# Altium PCB STM32F7_ExpansionBoard.PcbDoc (part 2 of 2)
Units mm, origin at the board's own origin, x right, y up, seen from the top; angles counter-clockwise.
Board outline 149.43 x 209.05 mm, 2 copper layers (Top Layer, Bottom Layer); 87 components, 61 nets, 312 pads, 418 vias.
Unrouted connection lines stored in the file: 1.
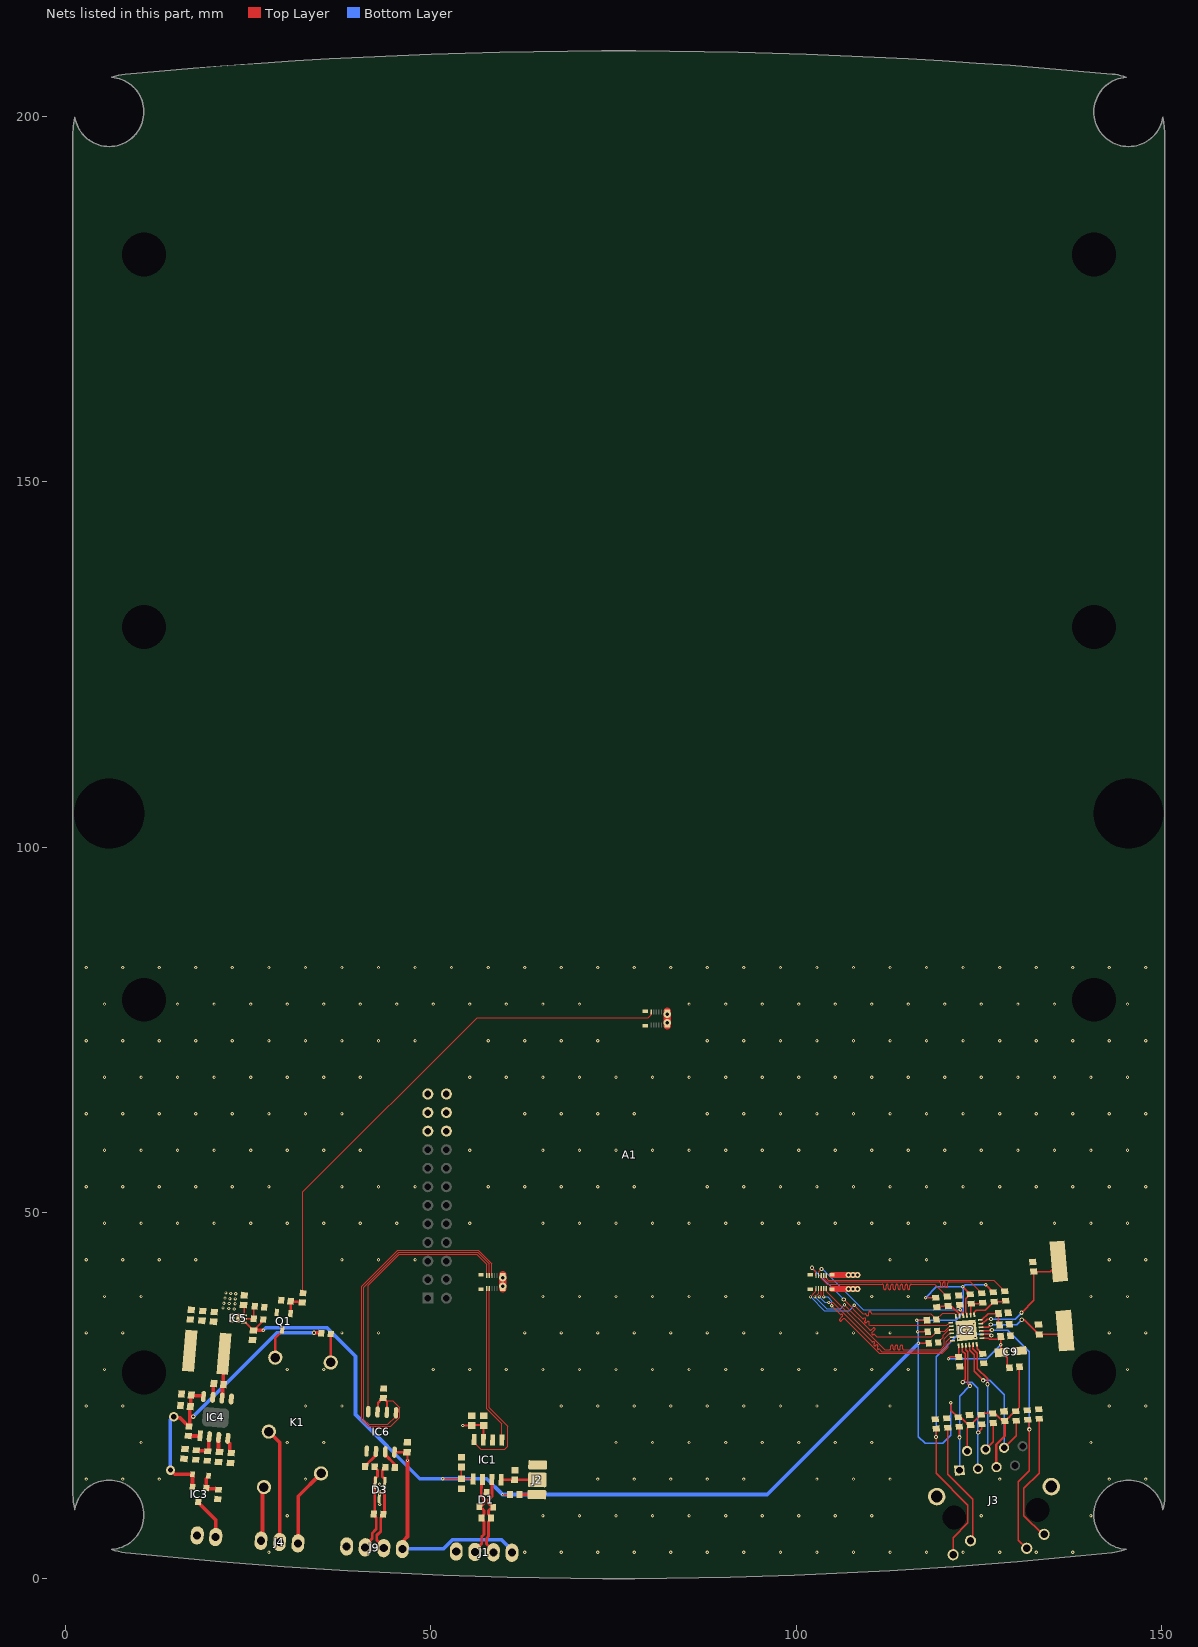
[diagram p2: the nets of this part, all layers, seen from the top]

## Via types
v1: diameter 0.45, hole 0.2, Top Layer to Bottom Layer, tented both sides, 387 vias
v2: diameter 0.6, hole 0.3, Top Layer to Bottom Layer, tented both sides, 19 vias
v3: diameter 0.8, hole 0.4, Top Layer to Bottom Layer, tented both sides, 6 vias
v4: diameter 1, hole 0.5, Top Layer to Bottom Layer, tented both sides, 4 vias
v5: diameter 1.27, hole 0.711, Top Layer to Bottom Layer, tented both sides, 2 vias

## Nets (pads, with @x,y where several pads share a name; then routed paths per layer and width w, separated by ;. In a path a pad name is that pad's centre, name@x,y a point inside that pad or via, vN(x,y) a via of type N, cw(c..) or ccw(c..) an arc to the next point about the centre after c; other vN are vias at no path point)
3v: C1.2 C2.2 C10.2 C11.2 C20.2 FB1.2 IC1.5 IC2.9 IC5.4 J3.2 J3.5 R2.1 R4.1 R5.1 R7.1 R8.1 R9.1 R13.2 R14.2 R15.2 R16.2 R17.2 R34.2 | length 210.5
  Top Layer w0.2: IC5.4@24.403,34.982 24.585,34.982 25.665,33.902 C20.2@25.714,33.902 25.759,33.902 27.05,35.193 R34.2@27.05,35.392 ; v1(51.605,13.58) C1.2@54.18,13.58 ; C2.2@54.18,15.205 C1.2@54.18,13.58 ; IC1.5@55.794,13.533 55.747,13.58 C1.2@54.18,13.58 ; v1(59.807,11.43) R2.1@60.83,11.43 ; v1(116.475,35.275) 116.477,35.273 R8.1@117.882,35.273 ; v1(116.6,33.7) 116.602,33.698 R9.1@118.007,33.698 ; v1(116.725,32.125) v1(116.725,32.125) R17.2@118.132,32.123 ; v1(117.691,38.379) 117.693,38.378 R7.1@119.098,38.378 ; v1(121.154,24) 121.154,22.992 122.145,22 R13.2@122.167,22 122.525,22 123.57,20.955 C11.2@123.83,20.955 ; v1@122.801,39.85 R4.1@123.823,38.828 ; IC2.9@123.353,35.944 123.353,36.211 123.199,36.364 123.199,38.234 123.778,38.812 R4.1@123.778,38.828 ; J3.2@123.384,17.384 123.384,20.509 C11.2@123.83,20.955 ; v1(125.943,40.148) R5.1@126.967,39.125 ; FB1.2@130.527,28.914 130.527,23.336 130.411,23.22 130.411,23.19 130.047,22.825 R16.2@130.017,22.825 129.921,22.825 128.575,21.48 C10.2@128.53,21.48 128.225,21.48 127.18,22.525 R15.2@126.867,22.525 125.467,22.525 R14.2@125.292,22.35 125.258,22.35 123.863,20.955 C11.2@123.83,20.955
  Top Layer w0.3: J3.5@127.4,15.186 127.367,15.219 127.367,18.273 128.526,19.431 C10.2@128.526,21.476
  Top Layer w0.5: C20.2@25.714,33.902 25.716,33.9 v1(27.075,33.9) ; C10.2@128.526,21.476 C10.2@128.53,21.48
  Bottom Layer w0.2: v1(117.691,38.379) 119.162,39.85 v1(122.8,39.85) ; v1(121.154,24) 121.154,19.579 120.025,18.45 117.65,18.45 116.725,19.375 v1(116.725,32.125) 116.725,33.507 116.6,33.632 v1(116.6,33.7) 116.6,35.082 116.475,35.207 v1(116.475,35.275) 121.8,35.275 122.877,36.352 122.877,39.773 v1(122.8,39.85) ; v1(125.943,40.148) 123.098,40.148 v1(122.8,39.85)
  Bottom Layer w0.5: v1(27.075,33.9) 27.427,34.252 35.773,34.252 39.675,30.35 39.675,22.374 48.469,13.58 v1(51.605,13.58) 57.657,13.58 v1(59.807,11.43) 96.03,11.43 v1(116.725,32.125)
5V: A1.5V C3.2 C4.2 C14.2 C16.2 C17.2 C18.2 C25.2 IC1.3 IC5.1 IC5.3 IC6.8 J1.1 J9.1 L1.2 R28.1 | length 47.5
  Top Layer w0.3: IC6.8@45.018,17.228 45.022,17.232 46.728,17.232 C25.2@46.73,17.23 46.8,17.16 v1(46.8,16.1) ; v1(54.375,20.88) C3.2@55.605,20.88 55.68,20.955 57.137,20.955 C4.2@57.212,20.88 57.186,20.854 57.186,18.939 IC1.3@57.177,18.93
  Top Layer w0.5: J9.1@46.086,3.976 46.343,4.232 46.343,5.238 46.8,5.696 v1(46.8,16.1)
  Top Layer w0.8: A1.5V@104.9,39.55 v3(107.15,39.55) v3(107.775,39.55) v3(108.375,39.55) ; A1.5V@104.9,41.5 v3(107.15,41.5) v3(107.775,41.5) v3(108.375,41.5)
  Top Layer w1: A1.5V@59.85,39.55 v4(59.85,39.95) v4(59.85,41.1) A1.5V@59.85,41.5 ; A1.5V@82.35,75.6 v4(82.35,76) v4(82.35,77.15) A1.5V@82.35,77.55
  Bottom Layer w0.5: J9.1@46.086,3.976 46.103,3.993 51.692,3.993 52.96,5.262 59.67,5.262 61.089,3.842 J1.1@61.089,3.475
  other v1: 23.1,36.825 22.325,36.9 21.55,36.975 23.2,37.55 22.402,37.575 21.68,37.625 23.225,38.2 22.5,38.225 21.825,38.325 23.275,38.9 22.6,38.95 21.95,39.025
12V: C21.2 C22.2 D2.2 IC3.2 IC4.8 R23.2 R27.1 | length 44.2
  Top Layer w0.5: v5(14.35,14.775) 14.932,14.193 17.363,14.193 D2.2@17.369,14.199 ; v5(14.8,22.075) 14.947,21.928 15.67,21.928 16.848,20.75 R27.1@16.893,20.75 16.981,20.838 16.981,22.15 ; IC3.2@17.371,12.484 17.369,12.486 D2.2@17.369,14.199 ; D2.2@17.372,14.202 D2.2@17.369,14.199 ; v2(17.475,22.1) 17.456,22.119 17.012,22.119 16.981,22.15 ; IC4.8@18.89,24.841 18.791,24.94 17.334,24.94 C22.2@17.202,25.071 17.14,25.009 17.14,23.559 C21.2@17.077,23.496 16.981,23.4 16.981,22.15 ; v2(34,33.575) 34.928,33.575 R23.2@34.985,33.518
  Bottom Layer w0.5: v5(14.35,14.775) 14.35,21.625 v5(14.8,22.075) ; v2(17.475,22.1) 28.938,33.563 v2@34.012,33.563
CAN_N: D1.1 IC1.6 J1.3 R1.1 | length 11.7
  Top Layer w0.381: J1.3@56.01,3.582 56.01,3.79 56.963,4.742 56.963,5.688 57.263,5.988 57.263,7.727 57.175,7.815 57.175,7.999 R1.1@56.93,8.244 57.175,8.488 57.175,8.672 57.267,8.764 57.267,9.259 57.043,9.482 56.853,9.482 56.634,9.701 D1.1@56.634,9.75 56.634,9.799 56.853,10.018 57.041,10.018 57.265,10.241 57.265,10.791 56.899,11.157 56.899,12.301 56.913,12.315 56.913,13.356 IC1.6@57.063,13.507
CAN_P: D1.2 IC1.7 J1.2 R1.2 | length 11.7
  Top Layer w0.381: IC1.7@58.333,13.48 58.353,13.461 58.353,11.159 58.148,10.954 58.123,10.954 57.9,10.731 57.9,10.203 58.125,9.978 58.315,9.978 58.534,9.759 D1.2@58.534,9.71 58.534,9.661 58.315,9.443 58.125,9.443 57.902,9.219 57.902,8.733 57.986,8.649 57.986,8.461 R1.2@58.23,8.216 57.986,7.972 57.986,7.788 57.898,7.7 57.898,5.725 57.598,5.425 57.598,4.673 58.55,3.721 J1.2@58.55,3.528
CAN_S: IC1.8 J2.2 R3.2 | length 5
  Top Layer w0.381: IC1.8@59.603,13.454 59.605,13.456 R3.2@61.466,13.455 ; R3.2@61.466,13.455 J2.2@64.555,13.455
EXP_GPIO0: A1.1 R24.2 | length 71.9
  Top Layer w0.127: R24.2@32.493,39 32.493,52.868 56.325,76.7 79.75,76.7 80.15,77.1 A1.1@80.15,77.45
GND: A1.GND C1.1 C2.1 C3.1 C4.1 C5.1 C6.1 C7.1 C8.1 C9.1 C10.1 C11.1 C12.1 C13.1 C14.1 C17.1 C18.1 C19.1 C20.1 C21.1 C22.1 C23.1 C24.1 C25.1 D1.3 D3.3 IC1.2 IC2.25 IC4.5 IC5.2 IC5.7 IC6.5 J1.4 J2.3 J3.S J8.2 J9.4 Q1.2 R3.1 R6.1 R18.1 R19.2 R20.1 R21.2 R22.1 R25.2 R26.1 R29.2 R33.2 R35.2
  other v1: 27.831,3.548 62.831,3.548 67.831,3.548 72.831,3.548 77.831,3.548 82.831,3.548 87.831,3.548 92.831,3.548 97.831,3.548 102.831,3.548 107.831,3.548 112.831,3.548 117.831,3.548 122.831,3.548 127.831,3.548 132.831,3.548 137.831,3.548 30.331,8.548 65.331,8.548 70.331,8.548 75.331,8.548 80.331,8.548 85.331,8.548 90.331,8.548 95.331,8.548 100.331,8.548 105.331,8.548 110.331,8.548 125.331,8.548 140.331,8.548 42.985,10.075 42.975,11.475 42.973,12.825 2.831,13.548 7.831,13.548 12.831,13.548 32.831,13.548 72.831,13.548 77.831,13.548 82.831,13.548 87.831,13.548 92.831,13.548 102.831,13.548 107.831,13.548 112.831,13.548 127.831,13.548 142.831,13.548 147.831,13.548 10.331,18.548 30.331,18.548 35.331,18.548 75.331,18.548 80.331,18.548 85.331,18.548 90.331,18.548 95.331,18.548 100.331,18.548 105.331,18.548 110.331,18.548 140.331,18.548 2.831,23.548 7.831,23.548 32.831,23.548 37.831,23.548 67.831,23.548 72.831,23.548 77.831,23.548 82.831,23.548 87.831,23.548 92.831,23.548 97.831,23.548 102.831,23.548 112.831,23.548 142.831,23.548 147.831,23.548 5.331,28.548 30.331,28.548 35.331,28.548 50.331,28.548 55.331,28.548 60.331,28.548 65.331,28.548 70.331,28.548 75.331,28.548 80.331,28.548 85.331,28.548 90.331,28.548 95.331,28.548 100.331,28.548 105.331,28.548 110.331,28.548 115.331,28.548 145.331,28.548 122.23,32.775 124.475,32.925 2.831,33.548 7.831,33.548 37.831,33.548 42.831,33.548 62.831,33.548 67.831,33.548 72.831,33.548 77.831,33.548 82.831,33.548 87.831,33.548 92.831,33.548 97.831,33.548 102.831,33.548 107.831,33.548 112.831,33.548 142.831,33.548 147.831,33.548 123.28,33.905 122.175,34.578 124.301,34.825 5.331,38.548 10.331,38.548 65.331,38.548 70.331,38.548 75.331,38.548 80.331,38.548 85.331,38.548 90.331,38.548 95.331,38.548 110.331,38.548 115.331,38.548 140.331,38.548 145.331,38.548 2.831,43.548 7.831,43.548 12.831,43.548 17.831,43.548 37.831,43.548 42.831,43.548 47.831,43.548 112.831,43.548 117.831,43.548 142.831,43.548 147.831,43.548 5.331,48.548 10.331,48.548 15.331,48.548 20.331,48.548 25.331,48.548 30.331,48.548 35.331,48.548 40.331,48.548 45.331,48.548 55.331,48.548 65.331,48.548 70.331,48.548 75.331,48.548 80.331,48.548 85.331,48.548 90.331,48.548 95.331,48.548 100.331,48.548 105.331,48.548 110.331,48.548 115.331,48.548 120.331,48.548 125.331,48.548 135.331,48.548 140.331,48.548 145.331,48.548 2.831,53.548 7.831,53.548 12.831,53.548 17.831,53.548 22.831,53.548 27.831,53.548 37.831,53.548 42.831,53.548 47.831,53.548 57.831,53.548 62.831,53.548 67.831,53.548 72.831,53.548 77.831,53.548 87.831,53.548 92.831,53.548 97.831,53.548 102.831,53.548 107.831,53.548 112.831,53.548 117.831,53.548 122.831,53.548 127.831,53.548 132.831,53.548 137.831,53.548 142.831,53.548 147.831,53.548 5.331,58.548 10.331,58.548 15.331,58.548 20.331,58.548 25.331,58.548 30.331,58.548 35.331,58.548 40.331,58.548 55.331,58.548 65.331,58.548 70.331,58.548 75.331,58.548 80.331,58.548 85.331,58.548 90.331,58.548 95.331,58.548 100.331,58.548 105.331,58.548 110.331,58.548 115.331,58.548 120.331,58.548 125.331,58.548 130.331,58.548 135.331,58.548 140.331,58.548 145.331,58.548 2.831,63.548 7.831,63.548 12.831,63.548 17.831,63.548 22.831,63.548 27.831,63.548 32.831,63.548 37.831,63.548 62.831,63.548 67.831,63.548 72.831,63.548 77.831,63.548 87.831,63.548 92.831,63.548 97.831,63.548 102.831,63.548 107.831,63.548 112.831,63.548 117.831,63.548 122.831,63.548 127.831,63.548 132.831,63.548 137.831,63.548 142.831,63.548 147.831,63.548 5.331,68.548 10.331,68.548 15.331,68.548 20.331,68.548 25.331,68.548 30.331,68.548 35.331,68.548 40.331,68.548 55.331,68.548 60.331,68.548 65.331,68.548 70.331,68.548 75.331,68.548 80.331,68.548 85.331,68.548 90.331,68.548 95.331,68.548 100.331,68.548 105.331,68.548 110.331,68.548 115.331,68.548 120.331,68.548 125.331,68.548 130.331,68.548 135.331,68.548 140.331,68.548 145.331,68.548 2.831,73.548 7.831,73.548 12.831,73.548 17.831,73.548 22.831,73.548 27.831,73.548 32.831,73.548 37.831,73.548 42.831,73.548 47.831,73.548 57.831,73.548 62.831,73.548 67.831,73.548 72.831,73.548 87.831,73.548 92.831,73.548 97.831,73.548 102.831,73.548 107.831,73.548 112.831,73.548 117.831,73.548 122.831,73.548 127.831,73.548 132.831,73.548 137.831,73.548 142.831,73.548 147.831,73.548 5.331,78.548 15.331,78.548 20.331,78.548 25.331,78.548 30.331,78.548 35.331,78.548 40.331,78.548 45.331,78.548 50.331,78.548 55.331,78.548 60.331,78.548 65.331,78.548 70.331,78.548 85.331,78.548 90.331,78.548 95.331,78.548 100.331,78.548 105.331,78.548 110.331,78.548 115.331,78.548 120.331,78.548 125.331,78.548 130.331,78.548 135.331,78.548 145.331,78.548 2.831,83.548 7.831,83.548 12.831,83.548 17.831,83.548 22.831,83.548 27.831,83.548 32.831,83.548 37.831,83.548 42.831,83.548 47.831,83.548 52.831,83.548 57.831,83.548 62.831,83.548 67.831,83.548 72.831,83.548 77.831,83.548 82.831,83.548 87.831,83.548 92.831,83.548 97.831,83.548 102.831,83.548 107.831,83.548 112.831,83.548 117.831,83.548 122.831,83.548 127.831,83.548 132.831,83.548 137.831,83.548 142.831,83.548 147.831,83.548
NetA1_11: A1.11 IC6.4 | length 37.4
  Top Layer w0.127: IC6.4@41.428,22.777 41.447,22.796 41.447,40.072 41.8,40.425 45.701,44.325 56.299,44.325 57.65,42.975 A1.11@57.65,41.4
NetA1_12: A1.12 IC1.1 | length 21.6
  Top Layer w0.127: A1.12@57.65,39.65 57.65,23.175 59.716,21.109 IC1.1@59.716,18.877
NetA1_13: A1.13 IC6.1 | length 45.1
  Top Layer w0.127: IC6.1@45.235,22.624 45.235,22.168 44.092,21.025 41.5,21.025 40.825,21.7 40.825,39.809 45.595,44.579 56.405,44.579 58,42.984 A1.13@58,41.4
NetA1_14: A1.14 IC1.4 | length 28.3
  Top Layer w0.127: IC1.4@55.907,18.956 55.907,18.543 56.85,17.6 60.1,17.6 60.55,18.05 60.55,20.775 58,23.325 A1.14@58,39.65
NetA1_15: A1.15 IC6.2 IC6.3 R33.1 | length 54.6
  Top Layer w0.127: R33.1@43.479,24.631 43.825,24.284 44.761,24.284 45.744,23.301 45.744,21.984 44.531,20.771 41.395,20.771 40.571,21.595 40.571,39.914 45.49,44.833 56.51,44.833 58.35,42.993 A1.15@58.35,41.4
  Top Layer w0.3: IC6.3@42.697,22.726 42.751,22.78 42.751,23.95 43.431,24.631 R33.1@43.479,24.631 ; R33.1@43.825,24.284 43.985,24.125 43.985,22.694 IC6.2@43.966,22.675
NetC5_2: C5.2 C6.2 C9.2 FB1.1 IC2.1 IC2.19 | length 18.6
  Top Layer w0.2: v1(120.825,30.025) 121.077,30.277 C6.2@122.246,30.277 122.229,30.295 122.229,31.761 IC2.19@122.211,31.779 ; IC2.1@125.406,32.836 125.424,32.854 126.302,32.854 126.484,32.672 127.6,32.672 127.979,33.05 127.979,30.931 128.094,30.931 128.869,30.156 128.869,29.11 FB1.1@129.183,28.796
  Bottom Layer w0.2: v1(120.825,30.025) 126.05,30.025 v1(127.975,31.95)
NetC7_2: C7.2 C8.2 IC2.6 | length 4.5
  Top Layer w0.2: IC2.6@125.188,35.327 125.37,35.327 126.24,36.196 C8.2@127.658,36.196 127.658,34.777 C7.2@127.805,34.63
NetC12_2: C12.2 IC2.5 X1.1 | length 16.7
  Top Layer w0.2: IC2.5@125.232,34.829 125.249,34.846 125.514,34.846 126.118,35.45 v2(126.65,35.45) ; v2(130.825,36.325) 132.489,37.989 C12.2@132.489,41.933 132.493,41.937 134.742,41.937 135.932,43.127 X1.1@135.932,43.334
  Bottom Layer w0.2: v2(126.65,35.45) 129.95,35.45 v2(130.825,36.325)
NetC13_2: C13.2 IC2.4 X1.2 | length 12.9
  Top Layer w0.2: IC2.4@125.276,34.331 126.259,34.331 v2(126.628,34.699) ; v2(130.85,35.35) 131.215,35.35 133.21,33.355 C13.2@133.255,33.355 136.245,33.355 X1.2@136.76,33.871
  Bottom Layer w0.2: v2(126.628,34.699) 130.199,34.699 v2(130.85,35.35)
NetC15_1: C15.1 IC4.6 L1.1 | length 6.2
  Top Layer w0.5: IC4.6@21.42,24.62 21.486,24.686 21.486,26.345 C15.1@21.637,26.496 21.571,26.562 21.571,30.596 L1.1@21.68,30.705
NetC15_2: C15.2 IC4.7 | length 1.9
  Top Layer w0.5: IC4.7@20.155,24.73 20.221,24.796 20.221,26.542 C15.2@20.292,26.614
NetC16_1: C16.1 IC4.2 R28.2 R29.1 | length 3.7
  Top Layer w0.5: R28.2@17.912,17.503 17.987,17.428 19.412,17.428 R29.1@19.487,17.353 19.619,17.485 19.619,19.285 IC4.2@19.684,19.351
NetC19_2: C19.2 IC5.6 | length 1.4
  Top Layer w0.2: C19.2@24.352,37.355 24.473,37.234 24.473,35.996 IC5.6@24.491,35.978
NetC23_2: C23.2 IC4.4 | length 2.2
  Top Layer w0.5: IC4.4@22.215,19.13 22.206,19.121 22.206,18.637 22.497,18.347 22.497,17.288 C23.2@22.68,17.105
NetC24_2: C24.2 IC4.3 | length 2
  Top Layer w0.5: IC4.3@20.95,19.24 20.941,19.232 20.941,17.375 C24.2@21.064,17.252
NetD2_1: D2.1 IC3.1 R26.2 | length 3.6
  Top Layer w0.5: D2.1@19.588,14.008 19.588,13.915 19.268,13.594 19.268,12.323 IC3.1@19.264,12.318 19.366,12.216 20.819,12.216 R26.2@20.93,12.105
NetIC2_2: IC2.2 J3.9 R21.1 | length 41.2
  Top Layer w0.2: R21.1@119.13,20.455 119.13,14.316 123.48,9.966 123.48,7.539 121.463,5.522 J3.9@121.463,3.193 ; IC2.2@125.363,33.334 125.38,33.352 126.441,33.352 126.594,33.199 v2(126.703,33.199)
  Bottom Layer w0.2: v2(119.125,19.3) 119.125,30.309 122.193,33.377 126.524,33.377 v2(126.703,33.199)
NetIC2_3: IC2.3 J3.11 R19.1 | length 37.3
  Top Layer w0.2: IC2.3@125.319,33.832 125.367,33.88 126.709,33.88 v2(126.778,33.949) ; J3.11@131.535,4.074 130.4,5.208 130.4,13.196 131.902,14.698 131.902,21.483 R19.1@131.705,21.68
  Bottom Layer w0.2: v2(126.778,33.949) 128.951,33.949 131.9,31 v2(131.9,20.35)
NetIC2_7: IC2.7 R5.2 R11.1 | length 5.3
  Top Layer w0.2: IC2.7@124.349,36.031 124.349,36.374 124.625,36.65 125.855,36.65 127.035,37.83 R5.2@127.08,37.83 128.53,37.83 R11.1@128.655,37.955
NetIC2_8: IC2.8 R4.2 R10.1 | length 3.2
  Top Layer w0.2: IC2.8@123.851,35.988 123.851,37.446 R4.2@123.937,37.532 125.357,37.532 R10.1@125.505,37.68
NetIC2_11: IC2.11 R7.2 R12.1 | length 3.9
  Top Layer w0.2: R7.2@119.212,37.082 119.362,37.232 R12.1@120.787,37.232 121.218,37.232 122.356,36.094 IC2.11@122.356,35.857
NetIC2_15: IC2.15 R17.1 | length 2.7
  Top Layer w0.127: R17.1@119.428,32.237 119.428,32.282 120.125,32.98 120.125,33.207 120.895,33.978 IC2.15@121.241,33.978
NetIC2_24: IC2.24 R18.2 | length 1.7
  Top Layer w0.2: IC2.24@124.702,31.997 124.749,31.949 124.749,31.415 125.485,30.68 R18.2@125.53,30.68
NetIC3_3: IC3.3 J8.1 | length 5.8
  Top Layer w0.5: IC3.3@18.143,10.409 18.143,10.363 20.578,7.928 20.578,5.652 J8.1@20.545,5.619
NetIC4_1: IC4.1 R27.2 | length 1.7
  Top Layer w0.5: R27.2@16.78,19.455 16.797,19.438 18.395,19.438 IC4.1@18.419,19.462
NetIC5_5: IC5.5 R34.1 R35.1 | length 3.1
  Top Layer w0.2: IC5.5@24.447,35.48 24.464,35.463 25.713,35.463 R34.1@25.755,35.505 25.755,37.034 R35.1@25.907,37.187
NetIC6_6: IC6.6 R31.1 | length 2.6
  Top Layer w0.381: R31.1@41.006,15.282 41.006,15.33 42.419,16.743 IC6.6@42.419,17.269
NetIC6_7: IC6.7 R32.1 | length 2.7
  Top Layer w0.381: IC6.7@43.749,17.279 43.749,16.876 45.079,15.546 R32.1@45.079,15.128
NetJ2_1: J2.1 R2.2 | length 2.4
  Top Layer w0.381: R2.2@62.13,11.43 62.133,11.433 64.503,11.433 J2.1@64.512,11.423
NetJ3_10: J3.10 R22.2 | length 17
  Top Layer w0.2: R22.2@120.705,20.58 120.705,14.232 124.125,10.812 124.125,5.387 J3.10@123.845,5.108
NetJ3_12: J3.12 R20.2 | length 18
  Top Layer w0.2: R20.2@133.28,21.805 133.28,14.38 131.163,12.263 131.163,8.536 133.709,5.989 J3.12@133.917,5.989
NetK1_1: K1.1 R23.1 | length 3.9
  Top Layer w0.3: R23.1@36.28,33.405 36.286,33.399 36.286,29.513 K1.1@36.296,29.503
NetK1_5: K1.5 Q1.3 | length 4.2
  Top Layer w0.3: K1.5@28.705,30.167 28.705,32.848 29.655,33.798 Q1.3@29.655,33.98
NetQ1_1: Q1.1 R24.1 R25.1 | length 3.4
  Top Layer w0.3: Q1.1@30.802,36.188 30.809,36.195 R25.1@30.809,37.892 ; R25.1@30.803,37.898 R25.1@30.809,37.892 ; R24.1@32.38,37.705 32.279,37.806 30.895,37.806 R25.1@30.809,37.892
RD_N: IC2.22 J3.6 R16.1 | length 21
  Top Layer w0.2: IC2.22@123.706,31.909 123.728,31.887 123.728,31.172 124.339,30.561 124.339,28.286 v2(125.575,27.05) ; J3.6@128.496,17.827 J3.6@128.444,17.827 130.126,19.508 130.126,21.526 R16.1@130.13,21.53
  Bottom Layer w0.2: v2(125.575,27.05) 125.577,27.052 126.498,27.052 128.444,25.106 J3.6@128.444,17.827
RD_P: IC2.23 J3.4 R15.1 | length 19.4
  Top Layer w0.2: IC2.23@124.204,31.953 124.182,31.931 124.182,31.36 124.793,30.749 124.793,28.657 126.175,27.275 v2(126.175,26.525) ; J3.4@125.914,17.605 125.914,17.622 126.98,18.688 R15.1@126.98,21.23
  Bottom Layer w0.2: J3.4@125.914,17.605 126.175,17.867 v2(126.175,26.525)
RELAY_COM: J4.2 K1.4 | length 15.7
  Top Layer w0.5: K1.4@27.819,20.046 29.306,18.559 29.306,4.956 J4.2@29.28,4.93
RELAY_NC: J4.1 K1.2 | length 10.9
  Top Layer w0.5: J4.1@31.814,4.753 31.84,4.779 31.84,11.194 K1.2@34.967,14.321
RELAY_NO: J4.3 K1.3 | length 7.5
  Top Layer w0.5: J4.3@26.746,5.107 26.964,5.325 26.964,12.264 K1.3@27.155,12.455
RMII_CRS_DV: A1.25 R12.2 | length 25.4
  Top Layer w0.127: A1.25@103.4,41.4 103.4,41.016 104.23,40.186 111.65,40.186 111.801,40.186 cw(c111.801,40.022) 111.965,40.022 111.965,39.652 ccw(c112.128,39.652) 112.128,39.489 ccw(c112.128,39.652) 112.292,39.652 112.292,40.022 cw(c112.455,40.022) 112.455,40.186 cw(c112.455,40.022) 112.618,40.022 112.618,39.652 ccw(c112.782,39.652) 112.782,39.489 ccw(c112.782,39.652) 112.945,39.652 112.945,40.022 cw(c113.109,40.022) 113.109,40.186 cw(c113.109,40.022) 113.272,40.022 113.272,39.652 ccw(c113.436,39.652) 113.436,39.489 ccw(c113.436,39.652) 113.599,39.652 113.599,40.022 cw(c113.763,40.022) 113.763,40.186 cw(c113.763,40.022) 113.926,40.022 113.926,39.652 ccw(c114.09,39.652) 114.09,39.489 ccw(c114.09,39.652) 114.253,39.652 114.253,40.022 cw(c114.417,40.022) 114.417,40.186 cw(c114.417,40.022) 114.58,40.022 114.58,39.652 ccw(c114.744,39.652) 114.744,39.489 ccw(c114.744,39.652) 114.907,39.652 114.907,40.022 cw(c115.071,40.022) 115.071,40.186 cw(c115.071,40.022) 115.234,40.022 115.234,39.652 ccw(c115.398,39.652) 115.398,39.489 ccw(c115.398,39.652) 115.561,39.652 115.561,40.022 cw(c115.725,40.022) 115.725,40.186 118.97,40.186 120.628,38.528 R12.2@120.673,38.528
RMII_MDC: A1.21 IC2.13 | length 24.7
  Top Layer w0.127: v2(102.15,42.475) 102.7,41.925 A1.21@102.7,41.4 ; v2(106.5,38.125) 109.05,35.575 109.083,35.542 ccw(c109.166,35.625) 109.248,35.542 cw(c109.364,35.427) 109.48,35.542 cw(c109.364,35.427) 109.48,35.311 109.397,35.228 109.38,35.211 ccw(c109.495,35.095) 109.38,34.98 ccw(c109.495,35.095) 109.611,34.98 109.628,34.997 109.711,35.08 cw(c109.826,34.964) 109.942,35.08 cw(c109.826,34.964) 109.942,34.849 ccw(c110.025,34.766) 109.942,34.683 110.052,34.573 120.571,34.573 120.972,34.974 IC2.13@121.154,34.974
  Bottom Layer w0.127: v2(102.15,42.475) v2(106.5,38.125)
RMII_MDIO: A1.22 IC2.12 R8.2 | length 24.8
  Top Layer w0.127: v1(101.95,38.475) 102.7,39.225 A1.22@102.7,39.65 ; v1(107.95,37.325) 109.1,36.175 109.264,36.175 109.468,36.175 cw(c109.468,36.052) 109.59,36.052 ccw(c109.754,36.052) 109.754,35.889 ccw(c109.754,36.052) 109.917,36.052 109.917,36.175 109.917,36.332 cw(c110.081,36.332) 110.081,36.495 cw(c110.081,36.332) 110.244,36.332 ccw(c110.401,36.332) 110.401,36.175 118.435,36.175 119.178,35.432 R8.2@119.178,35.408 ; R8.2@119.178,35.387 R8.2@119.178,35.408 ; IC2.12@121.858,35.813 121.858,36.042 121.65,36.25 120.02,36.25 R8.2@119.178,35.408
  Bottom Layer w0.127: v1(101.95,38.475) 103.82,36.605 107.23,36.605 v1(107.95,37.325)
RMII_REF_CLK: A1.24 IC2.14 R9.2 | length 24.7
  Top Layer w0.127: v1(102.55,38.475) 103.05,38.975 A1.24@103.05,39.65 ; v1(106.6,37.4) 110.038,33.962 ccw(c110.153,34.078) 110.269,33.962 110.505,34.199 cw(c110.621,34.083) 110.736,34.199 cw(c110.621,34.083) 110.736,33.968 110.384,33.616 110.355,33.586 ccw(c110.47,33.47) 110.355,33.355 ccw(c110.47,33.47) 110.586,33.355 cw(c110.616,33.325) 110.645,33.355 110.847,33.153 111.002,32.998 118.534,32.998 119.303,33.766 R9.2@119.303,33.812 120.352,33.812 121.016,34.476 IC2.14@121.197,34.476
  Bottom Layer w0.127: v1(102.55,38.475) 104.166,36.859 106.059,36.859 v1(106.6,37.4)
RMII_RXD0: A1.27 R10.2 | length 25.3
  Top Layer w0.127: A1.27@103.75,41.4 103.75,41.025 104.246,40.529 119.25,40.529 119.414,40.529 119.577,40.529 cw(c119.577,40.365) 119.74,40.365 119.74,39.952 ccw(c119.904,39.952) 119.904,39.789 ccw(c119.904,39.952) 120.067,39.952 120.067,40.365 cw(c120.231,40.365) 120.231,40.529 cw(c120.231,40.365) 120.394,40.365 120.394,39.952 ccw(c120.558,39.952) 120.558,39.789 ccw(c120.558,39.952) 120.721,39.952 120.721,40.365 cw(c120.885,40.365) 120.885,40.529 121.048,40.529 121.175,40.529 123.838,40.529 R10.2@125.392,38.975
RMII_RXD1: A1.29 R11.2 | length 25.5
  Top Layer w0.127: A1.29@104.1,41.4 104.1,41.07 104.387,40.783 127.009,40.783 R11.2@128.542,39.25
RMII_RXER: A1.23 IC2.10 R6.2 | length 24
  Top Layer w0.127: A1.23@103.05,41.4 103.05,41.9 v2(103.45,42.3)
  Top Layer w0.2: R6.2@122.362,37.382 122.425,37.319 v1(122.425,36.725) 122.425,36.65 122.854,36.221 IC2.10@122.854,35.901
  Bottom Layer w0.127: v2(103.45,42.3) 103.563,42.3 109.138,36.725 v1(122.425,36.725)
RMII_TX_EN: A1.30 IC2.16 | length 25.4
  Top Layer w0.127: A1.30@104.1,39.65 104.1,39.25 112.1,31.25 112.263,31.25 112.59,31.25 112.754,31.25 ccw(c112.754,31.413) 112.917,31.413 112.917,31.722 cw(c113.081,31.722) 113.081,31.885 cw(c113.081,31.722) 113.244,31.722 113.244,31.413 ccw(c113.408,31.413) 113.408,31.25 ccw(c113.408,31.413) 113.571,31.413 113.571,31.722 cw(c113.735,31.722) 113.735,31.885 cw(c113.735,31.722) 113.898,31.722 113.898,31.413 ccw(c114.062,31.413) 114.062,31.25 ccw(c114.062,31.413) 114.225,31.413 114.225,31.722 cw(c114.389,31.722) 114.389,31.885 cw(c114.389,31.722) 114.552,31.722 114.552,31.413 ccw(c114.716,31.413) 114.716,31.25 114.879,31.25 115.05,31.25 119.753,31.25 120.275,31.772 120.275,32.719 120.415,32.859 120.415,32.865 121.029,33.479 IC2.16@121.284,33.479
RMII_TXD0: A1.26 IC2.17 | length 24.6
  Top Layer w0.127: v1(103.15,38.475) 103.4,38.725 A1.26@103.4,39.65 ; v1(104.45,37.725) 105,37.725 110.313,32.412 110.411,32.314 ccw(c110.428,32.332) 110.445,32.314 cw(c110.561,32.199) 110.677,32.314 cw(c110.561,32.199) 110.677,32.083 110.659,32.066 110.655,32.061 ccw(c110.77,31.945) 110.655,31.83 ccw(c110.77,31.945) 110.886,31.83 110.891,31.834 110.908,31.852 cw(c111.023,31.736) 111.139,31.852 cw(c111.023,31.736) 111.139,31.621 111.122,31.603 111.117,31.598 ccw(c111.233,31.483) 111.117,31.367 ccw(c111.233,31.483) 111.348,31.367 111.353,31.372 111.584,31.141 111.65,31.075 111.729,30.996 119.858,30.996 120.529,31.667 120.529,32.364 121.146,32.981 IC2.17@121.328,32.981
  Bottom Layer w0.127: v1(103.15,38.475) 103.9,37.725 v1(104.45,37.725)
RMII_TXD1: A1.28 IC2.18 | length 24.8
  Top Layer w0.127: v1(103.75,38.475) A1.28@103.75,39.65 ; v1(104.85,37.275) 105.975,36.15 106.091,36.034 106.095,36.039 cw(c106.211,35.924) 106.327,36.039 cw(c106.211,35.924) 106.327,35.808 106.322,35.803 105.957,35.439 ccw(c106.073,35.323) 105.957,35.207 ccw(c106.073,35.323) 106.189,35.207 106.444,35.462 cw(c106.553,35.353) 106.662,35.462 111.383,30.742 119.963,30.742 120.783,31.562 120.783,32.076 121.19,32.483 IC2.18@121.372,32.483
  Bottom Layer w0.127: v1(103.75,38.475) 104.288,38.475 104.866,37.897 104.866,37.29 v1(104.85,37.275)
RS485A_N: D3.1 J9.2 R30.2 R32.2 | length 12.3
  Top Layer w0.381: J9.2@43.549,4.095 43.549,4.28 42.598,5.231 42.598,5.863 43.148,6.412 43.148,8.205 43.226,8.283 43.226,8.476 R30.2@43.479,8.729 43.647,8.897 43.647,12.936 D3.1@43.689,12.977 43.689,13.624 43.647,13.666 43.57,13.666 43.347,13.889 43.347,14.699 43.78,15.132 R32.2@43.78,15.18
RS485A_P: D3.2 J9.3 R30.1 R31.2 | length 12.2
  Top Layer w0.381: J9.3@41.011,4.215 41.011,4.435 41.963,5.386 41.963,6.126 42.513,6.676 42.513,8.257 42.434,8.335 42.434,8.528 R30.1@42.181,8.781 42.328,8.929 42.328,12.989 D3.2@42.37,13.03 42.37,13.677 42.411,13.719 42.489,13.719 42.712,13.942 42.712,14.775 42.305,15.182 R31.2@42.305,15.23
TD_N: IC2.20 J3.3 R14.1 | length 20.1
  Top Layer w0.2: IC2.20@122.709,31.822 122.731,31.8 122.731,31.064 123.128,30.667 123.128,27.178 v2(122.775,26.825) ; v2(124.9,19.925) 125.405,20.43 R14.1@125.405,21.055
  Bottom Layer w0.2: v2(122.775,26.825) 122.777,26.827 123.993,26.827 124.87,25.95 124.87,19.925 J3.3@124.87,14.964
TD_P: IC2.21 J3.1 R13.1 | length 19.5
  Top Layer w0.2: R13.1@122.28,20.705 122.28,19.31 v2(122.34,19.25) ; IC2.21@123.207,31.866 123.185,31.844 123.185,31.252 123.475,30.962 123.475,26.6 v2(123.775,26.3)
  Bottom Layer w0.2: J3.1@122.34,14.743 v2(122.34,19.25) 122.34,24.865 v2(123.775,26.3)
pads on no net: A1.2 A1.3 A1.4 A1.5 A1.6 A1.7 A1.8 A1.9 A1.10 A1.16 A1.17 A1.18 A1.19 A1.20 A1.31 A1.32 A1.33 A1.34 A1.35 A1.36 A1.37 A1.38 A1.39 A1.40 A1.41 A1.42 A1.43 A1.44 A1.45 A1.46 A1.47 A1.48 C9.0 IC4.EP J2.SM J3.7 J3.8 J3.15 J3.16

## Polygon pours and split planes (outlines as drawn)
5V on Top Layer "L1-5V" (solid, pour order 0): 18.5,15.425 18.625,16.875 15.525,17.175 14.125,22.1 15.05,26.025 17.45,26.025 18.125,34.25 23.2,33.825 23.612,39.23 21.772,39.361 21.025,35.625 14.025,36.25 11.575,15.8 18.525,15.425
GND on Top Layer "L1-GND" (solid, pour order 4): 1.28,9.38 cw(c10.198,11.598) 1.009,11.463 1.009,197.838 cw(c9.931,197.746) 1.279,199.926 ccw(c5.974,200.651) 6.305,205.389 cw(c9.27,196.731) 8.183,205.818 cw(c75.724,-511.165) 143.254,205.819 cw(c142.547,198.319) 145.147,205.39 ccw(c145.474,200.651) 150.167,199.922 cw(c132.249,196.526) 150.438,197.849 150.438,11.451 cw(c144.343,11.189) 150.168,9.376 ccw(c145.474,8.651) 145.142,3.912 cw(c139.538,24.177) 143.254,3.483 cw(c75.724,644.677) 8.181,3.484 cw(c9.033,11.568) 6.301,3.912 ccw(c5.974,8.651)
5V on Bottom Layer "L2-5V" (solid, pour order 1): 60.725,45 60.725,67.1 51.275,67.1 51.275,60.325 58.825,60.325 58.825,45 58.825,37.428 48.725,37.428 48.725,39.525 21.25,39.525 21.25,36.45 45.8,36.45 45.8,16.75 46.8,15.75 47.15,16.1 46.225,17.025 46.225,20.65 54.6,20.65 54.6,21.1 46.225,21.1 46.225,33.425 60.725,33.425 60.725,43.075 106.725,43.075 106.725,39.125 108.8,39.125 108.8,45 82.875,45 82.875,78.075 81.825,78.075 81.825,45
GND on Bottom Layer "L2-GND" (solid, pour order 6): 1.28,9.38 cw(c10.198,11.598) 1.009,11.463 1.009,197.838 cw(c9.931,197.746) 1.279,199.926 ccw(c5.974,200.651) 6.305,205.389 cw(c9.27,196.731) 8.183,205.818 cw(c75.724,-511.165) 143.254,205.819 cw(c142.547,198.319) 145.147,205.39 ccw(c145.474,200.651) 150.167,199.922 cw(c132.249,196.526) 150.438,197.849 150.438,11.451 cw(c144.343,11.189) 150.168,9.376 ccw(c145.474,8.651) 145.142,3.912 cw(c139.538,24.177) 143.254,3.483 cw(c75.724,644.677) 8.181,3.484 cw(c9.033,11.568) 6.301,3.912 ccw(c5.974,8.651)

## Silkscreen, mask and mechanical layers (free items; w line width, h text height)
Top Overlay:
  text "E" at 3.575,34.95 h10
  text "R" at 145.775,31.5 h10
  text "p" at 3.425,20.042 h5
  text "STF7 Carrier-ET485C" at 69.5,14.825 h3
  text "W" at 137.35,14.5 h10
Bottom Overlay:
  text "E" at 10.65,34.95 h10
  text "R" at 149.15,31.125 h10
  text "p" at 7.325,20.025 h5
  text "STF7 Carrier-ET485C" at 94.35,14.9 h3
  text "W" at 143.1,14.5 h10
Mechanical 1:
  the board outline again, w0.127

## Dimensions
150.438,11.451 to 1.009,11.463 on Mechanical 1
75.705,208.98 to 75.724,-0.064 on Mechanical 1